# KiCad board latentpink.kicad_pcb (continued)
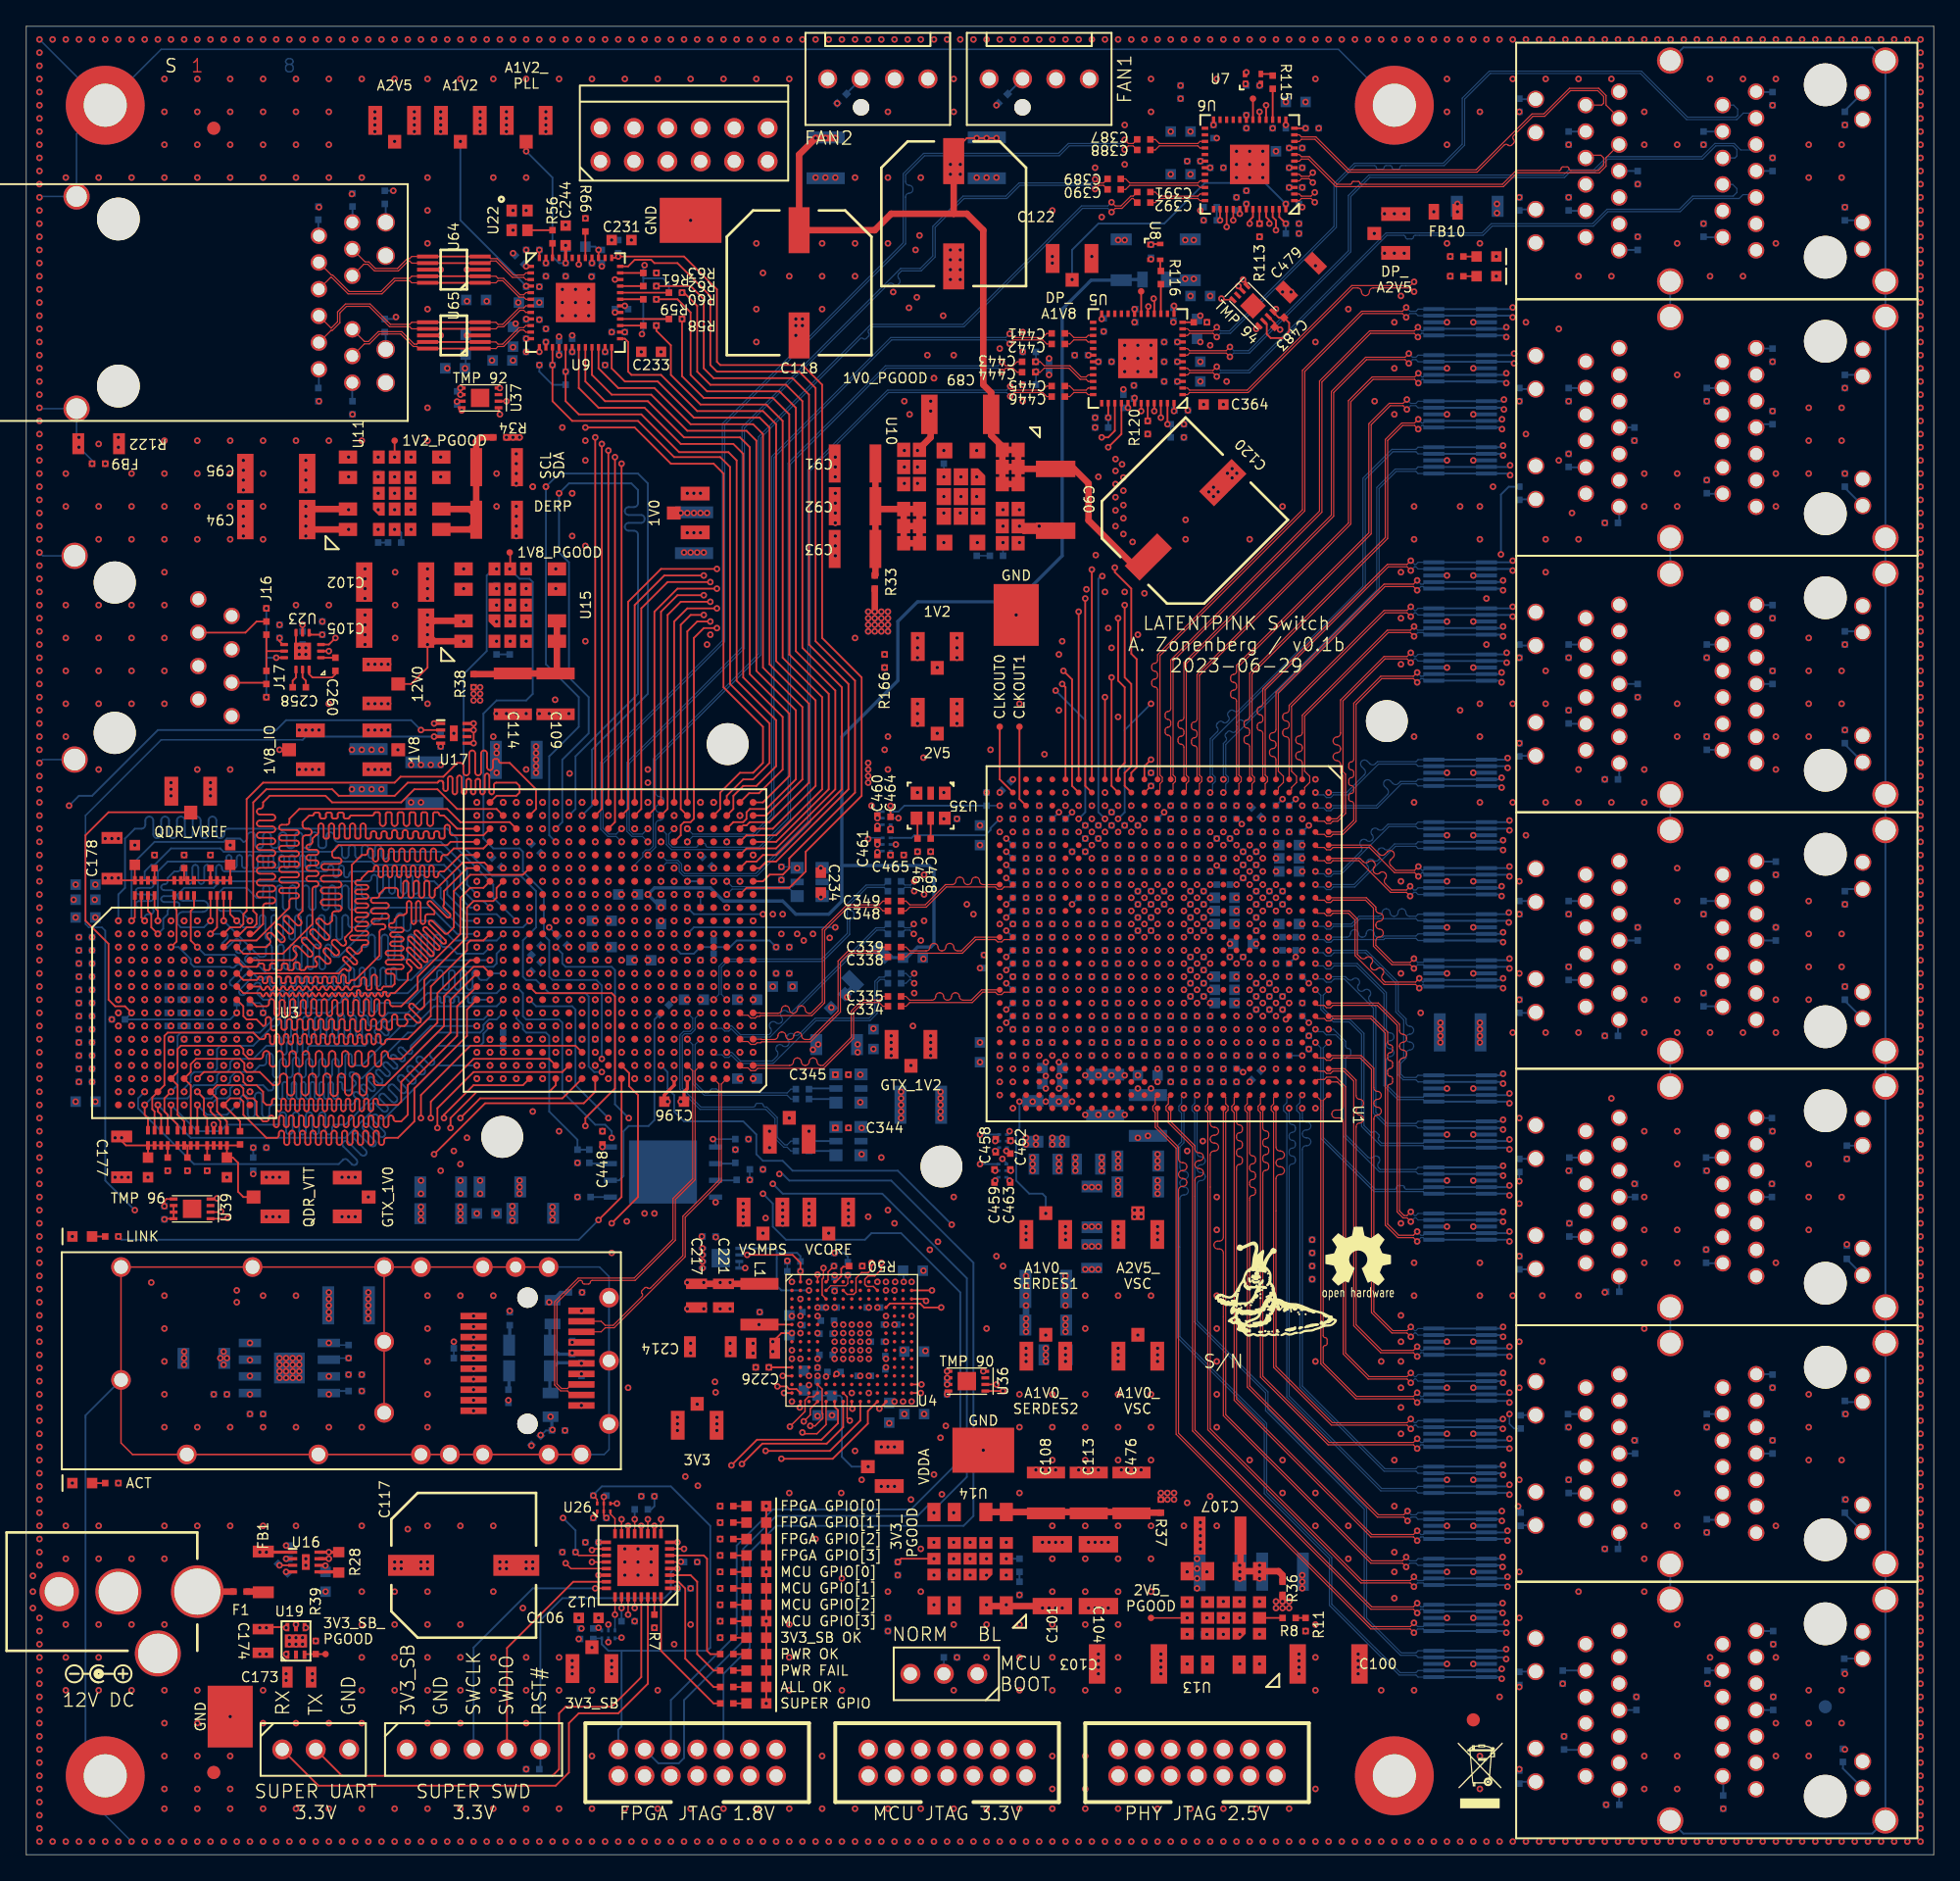
[diagram p0: board, top side]
## Routing (per net, layer and track width the routed paths; a pad name or vN(x,y) marks a point on that pad's centre or on a via; arc(x,y) is an arc through that point) (continued)
  In1.Cu w0.14: 117.25,30.25 110,30.25 ; 117.25,30.25 v1(117.25,28.5) ; 117.25,30.25 v1(117.25,32.5) 119,32.5 120,31.5 v1(122.25,31.5) ; 110,30.25 v1(110,25) v1(110,21.5) v1(110,18) v1(110,14.5) 110,12.3 111.25,11.05 116.8,11.05 ; 110,30.25 v1(110,32) v1(110,35.5) v1(110,39) v1(110,47.75) v1(110,51.25) v1(110,58.25) 110,62.5 ; v1(44.5,115.75) 44.5,113.75 v1(44,113.25) ; v1(44.5,115.75) 45.25,115 47.5,115 v1(48.25,114.25) ; v1(44.5,115.75) 44.5,117 ; v1(52.25,64) v1(51.25,63) v1(52.25,62) ; v1(52.25,64) v1(51.25,65) ; v1(52.25,64) v1(53.25,64) ; v1(58.2,40.95) 57.9,41.25 v1(55.75,41.25) 53.75,41.25 v1(53.5,41.5) 52,41.5 ; v1(45.5,21.25) 43.5,19.25 v1(43.5,18) ; v1(45.5,21.25) 45.5,21.75 ; v1(45.5,21.25) v1(47.5,21.25) ; 54.75,69 54.75,61 ; 54.75,69 54.75,78.5 ; 54.75,69 v1(54.25,69) ; 54.75,61 v1(55.25,61) ; 54.75,61 54.75,60.5 ; 129.5,89 130.5,90 v1(132.75,90) v1(132.75,94) ; 129.5,89 127.75,89 ; 129.5,89 130.25,88.25 130.25,84.22 J20.1 ; v1(42.2,36.55) 40.95,36.55 40.9,36.6 ; 17.25,21.25 14.75,23.75 7,23.75 J6.2 ; 17.25,21.25 16.75,21.25 16.5,21 16.5,16 ; 17.25,21.25 19.5,21.25 v1(19.75,21.5) ; v1(117.25,126) 117.25,128.25 ; 117.25,128.25 v1(117.25,130) ; 117.25,128.25 116,128.25 ; 36.7,40.95 40.2,40.95 40.6,41.35 40.9,41.35 ; 36.7,40.95 36.75,41 v1(36.75,41.35) ; 36.7,40.95 35.3,40.95 ; v1(41.25,68) v1(44.25,71) ; v1(44.25,71) v1(45.25,71) v1(46.25,71) ; v1(44.25,71) v1(44.25,69) v1(42.25,67) 42.75,66.5 42.75,65 ; v1(86,60.75) v1(86,58.75) ; v1(86,58.75) 86,58 85.75,57.75 84.75,57.75 84.5,57.5 84.5,56.25 ; v1(86,58.75) v1(87,58.75) 87,60.25 ; 90,72.25 v1(89.5,72.25) v1(88.5,72.25) ; 90,72.25 90,71.25 ; 90,72.25 v1(90,74.75) ; v1(72.5,60.25) 73.5,60.25 v1(74,59.75) ; 44.75,79.5 46.75,79.5 v1(47.25,80) 47.75,79.5 ; 44.75,79.5 37.75,79.5 ; 44.75,79.5 v1(44.25,79) 44.75,78.5 44.75,76.5 v1(45.25,76) ; v1(55.25,59) 54.75,59.5 54.75,60.5 ; v1(97,59.75) 96.5,60.25 88.5,60.25 ; v1(97,59.75) v1(97,60.75) v1(97.5,61.25) ; v1(97,59.75) 98,58.75 v1(98,56.75) ; v1(46.25,71) v1(49.25,74) ; v1(46.25,71) v1(47.25,70) ; v1(43.75,120.75) v1(42.96,119.96) ; 82.25,16.5 81.5,15.75 v1(81.5,15.25) v1(81.5,13.75) ; 82.25,16.5 v1(82.25,18.75) v1(80.75,18.75) 78.75,20.75 78.75,21.25 ; 82.25,16.5 87,16.5 87.5,16 89.75,16 ; v1(76,60.75) v1(87,60.75) 87,60.25 ; v1(76,60.75) 75.5,61.25 75.5,63.25 ; v1(76,60.75) v1(76,59.75) v1(74,59.75) ; v1(75,56.75) v1(74,57.75) v1(74,59.75) ; v1(65.5,31) 65.6,31.1 v1(65.6,32.8) 67.55,32.8 v1(68.25,33.5) 68.25,34.77 70,36.52 v1(70,36.75) ; v1(24.5,104.75) v1(31.5,104.75) v1(31.5,106.25) 37,106.25 v1(37.25,106.5) v1(37.25,100.25) ; v1(24.5,104.75) v1(24.5,106.25) ; v1(24.5,104.75) 22.5,104.75 ; v1(88,74.75) v1(88,63.75) ; 127.75,107.5 127.75,108.5 ; 127.75,107.5 v1(122.25,107.5) 122.25,105.75 121.85,105.35 119.9,105.35 ; 127.75,107.5 v1(127.75,104.5) 127.75,102.25 128,102 130.25,102 130.72,102.47 J21.1 ; 127.75,108.5 129.75,108.5 130.75,109.5 132.25,109.5 132.48,109.73 132.73,109.73 v1(132.75,109.75) v1(132.75,113.5) ; 127.75,108.5 v1(127.75,110.5) ; 98.25,129 98.5,129 99,128.5 104,128.5 ; 98.25,129 95.75,129 95.25,128.5 v1(94,128.5) ; 98.25,129 v1(98.25,131.25) 97.25,132.25 v1(97.25,133.25) ; 84,72.25 v1(84.5,72.25) v1(85.5,72.25) v1(86.5,72.25) ; 84,72.25 v1(84,63.75) ; 84,72.25 v1(84,73.75) v1(84,74.75) ; v1(18,64) 18,65.25 17.75,65.5 15.5,65.5 ; 45.5,21.75 v1(45.5,23.25) ; 45.5,21.75 v1(38.5,21.75) ; v1(6.75,51.5) 8.5,51.5 ; 8.5,51.5 v1(9.25,51.5) 10.25,51.5 v1(10.75,52) v1(13.75,52) 14.75,52 v1(15.25,51.5) ; 8.5,51.5 8,52 8,53 8.5,53.5 8.5,56.5 v1(8,57) 8.5,57.5 8.5,58.25 8.75,58.5 9.75,58.5 10,58.75 v1(10,59) ; v1(20,16.5) v1(21,16.5) ; v1(122.5,123) v1(122.5,127) 127.5,127 ; 65.75,59.5 v1(65.75,62.25) 65.75,62.45 65.4,62.8 v1(64.4,62.8) ; v1(87,79.75) 87,78.25 ; v1(87,79.75) v1(86.5,79.25) ; v1(87,79.75) v1(86,79.75) ; 87,78.25 v1(87,77.75) 86.5,77.25 86.5,74.75 ; 87,78.25 88.5,78.25 ; v1(62.5,48) v1(62.5,49.5) v1(54.5,49.5) ; v1(110,116.5) v1(110,113) v1(110,109.5) v1(110,106) v1(110,97.25) v1(110,82.25) v1(110,77.5) v1(110,74) 110,72.5 ; v1(97.25,17) 97,17.25 v1(97,21.25) ; v1(97.25,17) 97.25,7.25 97,7 ; v1(97.25,17) 94,17 v1(93.75,16.75) ; 37.75,79.5 37.25,79.5 ; 37.75,79.5 37.75,77.5 ; 37.25,79.5 v1(37.25,80) ; 37.25,79.5 35.75,79.5 ; v1(31.5,120.5) 28.38,120.5 J5.15 ; v1(31.5,120.5) 31.5,118 ; v1(31.5,120.5) 31.5,127 33,128.5 ; C71.2 v1(97,68.75) ; C71.2 v1(97.5,66.25) ; C71.2 96.5,66.25 v1(94.5,66.25) ; v1(97,68.75) v1(96.5,68.25) ; v1(97,68.75) 97,71.25 ; 42.75,62.5 v1(43.25,62) ; 42.75,62.5 42.75,65 ; 42.75,62.5 45.75,62.5 ; v1(47.25,70) v1(46.25,69) v1(45.25,69) ; v1(47.25,70) v1(48.25,69) v1(47.25,68) ; v1(47.25,70) v1(48.25,71) v1(49.25,70) v1(50.25,71) 50.75,71 ; v1(68.75,62.25) 68.75,57.25 ; v1(94.5,72.25) 94.5,71.25 ; 94.5,71.25 94.5,70.5 94.25,70.25 92.75,70.25 92.5,70.5 92.5,71 92.25,71.25 90,71.25 ; 94.5,71.25 97,71.25 ; 91.5,129.5 91.25,129.25 88.75,129.25 v1(88.25,128.75) 87.25,128.75 87,128.5 v1(87,127.75) ; 91.5,129.5 v1(92,129.5) ; 91.5,129.5 v1(90.5,130.5) 87.5,130.5 v1(87,131) 80.87,131 80.81,131.06 ; 47.75,79.5 53.75,79.5 v1(54.25,79) 54.75,78.5 ; 47.75,79.5 47.75,77.5 v1(48.25,77) ; v1(54.5,48) v1(54.5,49.5) ; v1(54.5,49.5) 53.5,49.5 53,49 ; 127.03,17.03 127.62,17.62 ; 127.03,17.03 127.17,17.03 127.8,16.4 v1(127.8,13) ; 127.03,17.03 J4.20 ; 127.62,17.62 128.4,18.4 132.3,18.4 132.8,17.9 v1(132.8,16) v1(132.8,12) 132.8,6.27 J4.1 130.03,3.5 v1(129,3.5) ; 127.62,17.62 127.75,17.75 v1(127.75,24.5) ; v1(46,122.75) 44.85,123.9 v1(41,123.9) 39.9,123.9 v1(38,122) 37,122 ; v1(46,122.75) 46,121.84 v1(47,120.84) ; v1(46,122.75) 47.5,124.25 v1(50.5,124.25) ; 35.3,40.95 35.3,34.55 ; 35.3,40.95 v1(34,40.95) ; 35.3,34.55 35.3,34.05 35,33.75 v1(34,33.75) ; 35.3,34.55 v1(36.65,34.55) ; v1(120,23.25) 122,23.25 122.25,23.5 v1(122.25,31.5) ; v1(78.5,58.25) v1(78.5,60.25) v1(79,60.75) ; 41,32.95 v1(42.2,34.15) ; 41,32.95 41,28.75 38,25.75 v1(38,21.75) ; 41,32.95 40.9,33.05 40.9,36.6 ; v1(127.75,32.5) 129.75,32.5 130.75,31.5 v1(132.75,31.5) v1(132.75,35.5) ; v1(127.75,32.5) 127.75,45.95 v1(127.7,46) ; v1(127.75,32.5) v1(127.75,24.5) ; 42.75,65 v1(42.25,65) ; v1(47.75,17.25) 47.25,17.75 v1(46.25,17.75) ; v1(47.75,17.25) 47.75,21 v1(47.5,21.25) ; v1(47.75,17.25) 47.75,14.75 47.25,14.25 v1(44.5,14.25) v1(41.5,14.25) ; v1(29.25,106.25) v1(29.25,102.25) ; v1(70.5,22.5) v1(73,22.5) ; 39.5,130 53.5,130 53.81,130.31 J23.11 53.81,130.06 ; 39.5,130 v1(39.5,131) ; 39.5,130 34.5,130 ; 17.25,51.5 v1(19.25,51.5) v1(19.25,48.5) v1(18.25,48.5) ; 17.25,51.5 17.75,51.5 ; 17.25,51.5 v1(15.25,51.5) ; v1(51.25,65) 51.25,64.75 51,64.5 49.75,64.5 v1(49.25,64) v1(49.25,59) ; v1(51.25,65) v1(51.25,66) ; v1(11,80.5) v1(11,81.5) 16.75,81.5 ; v1(42.25,71) v1(43.25,70) v1(44.25,70) ; v1(42.25,71) v1(44.25,73) ; v1(42.25,71) v1(41.25,72) ; v1(122.25,31.5) 122.25,35.38 J8.20 ; v1(78.75,54) v1(78.75,54.5) v1(80.5,56.25) 84.5,56.25 ; v1(78.75,54) v1(78,54) v1(78,54.5) ; v1(78.75,54) 78.5,53.75 v1(78.5,52) ; v1(117.25,71.5) 117.25,69.5 ; 117.25,69.5 v1(117.25,67.5) ; 117.25,69.5 119.8,69.5 119.9,69.4 ; 127.5,127 v1(127.5,130) 129.75,130 130.75,129 v1(132.75,129) 132.75,131.75 ; 127.5,127 v1(127.5,124) ; 54.75,78.5 60.7,78.5 ; 76.5,80.25 v1(75,78.75) v1(75,77.75) v1(74.5,77.25) v1(74.5,76.25) v1(74.5,75.25) v1(74.5,74.25) v1(74.5,72.25) v1(74.5,71.25) ; 76.5,80.25 v1(77,79.75) 78,79.75 v1(78.5,79.25) v1(79.5,79.25) 79.5,78.5 79.75,78.25 v1(80.5,78.25) ; 76.5,80.25 v1(75,81.75) 68.25,81.75 67.75,81.25 v1(67.75,80.75) ; 114.74,121.49 114.74,120.89 J21.20 119.9,113.34 119.9,110.6 ; 114.74,121.49 114.72,121.5 v1(111.75,121.5) v1(111.75,120) ; 114.74,121.49 J22.31 116,123.8 116,128.25 ; v1(70.25,119.75) v1(70.25,122) v1(71,122) ; v1(70.25,119.75) v1(71,119.75) 71,126.25 v1(72.25,127.5) ; v1(70.25,119.75) 67.25,116.75 v1(59,116.75) ; v1(66,31) v1(65,31) v1(65,28) v1(66,28) 66,26.25 66.25,26 v1(69,26) v1(70.5,26) v1(70.5,19) v1(69,19) ; 18,34.25 18.25,34.25 19.25,35.25 v1(19.25,36.25) ; 18,34.25 v1(18,33.5) ; 18,34.25 14.25,34.25 ; v1(30,48.25) v1(30,49.25) 31.5,49.25 32.5,50.25 v1(33,50.25) ; v1(51.4,46.1) 51.35,46.15 v1(51.35,47) ; 90,69.25 v1(91.5,69.25) v1(91.5,68.25) ; 90,69.25 90,68.25 ; 90,69.25 90,70.25 ; v1(77.25,23.75) v1(78.75,23.75) ; v1(78.75,23.75) 78.75,21.25 ; v1(78.75,23.75) 78.75,29.25 ; 110,62.5 v1(110,67) v1(110,70.5) 110,72.5 ; 110,62.5 110.5,62.5 ; 97,71.25 97,73.25 ; v1(51.25,66) v1(53.25,66) v1(53.25,67) ; v1(51.25,66) 50.75,66.5 50.75,68 ; 133,72.5 130.5,72.5 129.5,71.5 v1(127.5,71.5) 127.5,70.5 ; 133,72.5 v1(133,74.5) ; 133,72.5 v1(133,70.5) ; v1(94,127.5) v1(94,129.5) ; v1(94,127.5) v1(92,127.5) v1(92,129.5) ; v1(94,127.5) 94,126.67 96.16,124.51 96.16,123.84 v1(96.75,123.25) 96.75,122.05 v1(98,120.8) ; v1(94,129.5) 94,131.25 ; v1(94,129.5) v1(92,129.5) ; v1(85,63.75) v1(85,74.75) ; v1(50.5,20.25) 50.5,21.75 v1(51,22.25) 50.5,22.75 47.5,22.75 ; v1(96.5,80.25) 97,80.75 97,81.5 97.25,81.75 v1(98,81.75) ; v1(96.5,80.25) v1(95.5,80.25) ; v1(96.5,80.25) 96.5,78.5 96.75,78.25 v1(97.5,78.25) C86.2 v1(97,76.75) 97,73.25 ; v1(77,101) v1(75.5,101) ; v1(15.25,51.5) 15.25,50.65 v1(14.5,49.9) ; v1(92.75,126.5) 92.25,126 v1(92,126) 91.25,126 v1(89.5,124.25) 88.45,124.25 v1(85.5,121.3) ; 37,122 v1(37,123.5) ; 37,122 37,119.2 ; 37,119.2 36.6,119.2 35.8,118.4 35.8,117.6 35.6,117.4 35,117.4 ; 37,119.2 37.6,118.6 38.4,118.6 v1(39,118) v1(40.75,118) ; v1(63.4,57.2) 62.5,56.3 v1(62.5,55.25) 62.5,54.25 v1(63.5,53.25) ; v1(35.4,113.6) 35.4,112.1 v1(36,111.5) ; 116.8,11.05 v1(116.8,13) 116.8,16.2 117.63,17.03 J4.20 ; 116.8,11.05 116.8,9.1 v1(116.9,9) 116.9,4.8 117.9,3.8 v1(120.1,3.8) ; 40.9,39.1 41.05,38.95 J1.17 42.25,39 ; 40.9,39.1 40.9,41.35 ; 40.9,39.1 40.9,36.6 ; 90,71.25 90,70.25 ; v1(16.5,106) v1(16.5,100.25) 17.75,99 22.5,99 22.5,98.75 ; 53,49 52,48 52,41.5 ; 53,49 v1(52.4,49.6) ; v1(22.25,85.5) v1(27.5,85.5) v1(27.5,87.5) ; 117.25,88.85 119.85,88.85 119.9,88.9 ; 117.25,88.85 v1(117.25,87) ; 117.25,88.85 v1(117.25,91) ; v1(78.5,53) v1(79.75,53) v1(79.75,52) ; v1(78,121) v1(78,121.5) v1(81,121.5) 81.75,121.5 v1(83,122.75) ; v1(39.25,74) 38.75,74.5 38.75,74.75 ; v1(91.5,77.25) v1(92,77.75) ; v1(92,77.75) 92,78.25 ; v1(92,77.75) 92.4,78.15 v1(92.4,78.35) ; v1(92,77.75) v1(93,77.75) ; 94,131.25 v1(92.75,131.25) ; 94,131.25 v1(94.75,131.25) ; 94,131.25 94,131.75 95,132.75 95,133.25 v1(93.75,134.5) ; 16.5,16 17.25,15.25 v1(17.75,15.25) v1(18.25,15.25) 19,16 v1(20,16) v1(21,16) 21,15.25 21.75,14.5 v1(21.75,13.75) v1(21.75,13.25) ; 16.5,16 15.5,15 v1(15.5,10.5) ; v1(95.5,73.25) 97,73.25 ; 80.81,131.06 80.81,130.81 80.06,130.06 72.19,130.06 ; 80.81,131.06 J11.1 ; v1(51.25,78) 50.75,77.5 50.75,71 ; J22.20 119.06,132 117,132 115.92,130.92 J22.33 114.74,129.51 115.88,128.38 ; v1(26.5,131) v1(26.5,132.5) v1(29.5,132.5) ; v1(84.5,114.75) 84.5,116.25 v1(84.25,116.5) ; v1(41,120) 41,119.25 v1(40.75,119) v1(42.75,119) ; v1(12,38.25) 12,34.75 12.5,34.25 14.25,34.25 ; 31.5,118 v1(31.5,115.5) 32,115 v1(32,113) ; 31.5,118 32.4,118 33,117.4 35,117.4 ; 40.9,41.35 v1(42.2,41.35) 42.25,41.4 v1(42.25,42.75) ; 122.25,53 v1(122.25,51) 127.75,51 ; 122.25,53 120.25,53 119.25,52 v1(117.25,52) 117.3,51.95 v1(117.3,48) 119.5,48 120,47.5 v1(120,42.75) ; 122.25,53 122.25,54.88 J18.20 119.9,57.22 119.9,62.65 ; v1(70,35.75) v1(70,36.75) ; v1(70,36.75) v1(72.75,36.75) ; 90,68.25 v1(89.5,68.25) v1(88.5,68.25) ; 90,68.25 90,65.25 ; v1(76.75,29.25) 75.25,30.75 v1(72.75,30.75) ; v1(76.75,29.25) v1(78.25,29.25) ; v1(76.75,29.25) 78.75,29.25 ; v1(88.5,66.25) 89,66.25 ; 89,66.25 v1(89,63.75) ; 89,66.25 v1(89.5,66.25) ; 89,66.25 v1(89,74.75) ; 88.5,78.25 v1(89,77.75) ; 88.5,78.25 88.5,79.25 v1(89,79.75) v1(90,79.75) ; 88.5,78.25 92,78.25 ; 110.5,62.5 v1(110.5,63.25) ; 110.5,62.5 v1(110.5,61.75) ; J19.20 119.97,75.53 119.9,75.6 ; 64.72,42.28 66.47,42.28 66.8,42.6 ; 53.81,130.06 J23.5 ; 53.81,130.06 58.19,130.06 59,129.25 59.75,129.25 ; 92,78.25 v1(92,79.75) v1(93,79.75) ; v1(39.25,64) 38.75,64 ; v1(19.75,21.5) 20.16,21.91 20.16,23.09 v1(19.75,23.5) ; v1(19.75,21.5) 19.75,20.75 20.5,20 v1(22.75,20) ; J4.20 122.4,15.72 v1(122.4,12) ; v1(41.25,86.75) v1(35.75,86.75) v1(35.75,92.25) ; 52.75,72 52.75,74.5 v1(52.25,75) ; 52.75,72 52.75,67.5 v1(53.25,67) ; 52.75,72 v1(53.25,72) ; v1(55.25,67) v1(53.25,67) ; v1(45.5,23.25) 44.5,24.25 43,24.25 v1(42.5,23.75) ; v1(45.5,23.25) v1(47.5,23.25) 47.5,22.75 ; 78.75,21.25 v1(74.5,21.25) ; v1(92.5,74.25) 92.5,73.67 92.92,73.25 v1(93.5,73.25) ; v1(92.5,74.25) v1(92.5,75.25) v1(93.5,75.25) ; v1(92.5,74.25) 91.55,74.25 91.05,74.75 C269.2 v1(90,74.75) ; v1(117.25,106.5) 119.8,106.5 119.9,106.4 ; 22.5,98.75 v1(22.5,93.75) 22,93.75 21.5,94.25 19.75,94.25 19.25,93.75 v1(19.25,93.5) 19.75,93.5 20,93.25 20,91.25 ; 22.5,98.75 22.5,104.75 ; 23.25,109.5 v1(24.8,109.5) 26.75,109.5 27.32,110.07 J5.13 ; 23.25,109.5 22.5,108.75 22.5,104.75 ; 23.25,109.5 v1(22.25,110.5) ; v1(41.25,78) 40.75,77.5 38.75,77.5 ; 38.75,77.5 38.75,74.75 ; 38.75,77.5 37.75,77.5 ; 38.75,74.75 38.75,67 ; v1(89.25,25.25) 89.25,22 v1(89.75,21.5) ; 119.9,69.4 119.9,62.65 ; 119.9,69.4 119.9,70.4 ; 119.9,62.65 119.9,62.35 v1(120,62.25) ; 52,41.5 v1(50.25,41.5) 50.5,41.25 v1(50.5,38.12) ; 39,116 v1(39,114.25) v1(39,113.25) 37.75,113.25 v1(36,111.5) ; 39,116 39,116.25 39.75,117 v1(40.75,117) ; 39,116 v1(39.5,116) ; 25.09,38.91 26,39.81 v1(26,42.75) ; 25.09,38.91 v1(23,38.91) 22.84,38.91 21.75,40 21.75,43 23,44.25 23,47.5 v1(24,48.5) ; 25.09,38.91 25.5,38.5 v1(25.5,35.25) ; 78.75,29.25 v1(84.75,29.25) v1(83.25,29.25) ; v1(29.5,132.5) v1(31.5,132.5) ; v1(29.5,132.5) v1(29.5,131) ; 20,91.25 v1(20.75,91.25) ; 20,91.25 19.75,91.25 19.37,91.64 J7.4 ; v1(20.75,91.25) v1(20.75,91.75) ; v1(20.75,91.25) v1(21.25,91.25) v1(21.25,91.75) ; 119.9,70.4 120,70.5 v1(122.5,70.5) 127.5,70.5 ; 119.9,70.4 119.9,75.6 ; J14.3 26.52,6.02 29.48,6.02 J13.2 34.46,5 38,5 ; 38,5 v1(38,6.5) ; 38,5 46.75,5 47,5.25 J9.3 ; 16.75,81.5 16.75,79 ; 16.75,81.5 16.75,90.5 J7.4 ; 115.88,128.38 116,128.25 ; 115.88,128.38 115.75,128.5 104,128.5 ; v1(64.7,78.8) 65.64,79.74 v1(65.7,79.74) ; 74.5,65.25 v1(74.5,64.25) v1(74.5,63.25) v1(75,62.75) ; v1(67.75,106.75) 68.75,107.75 v1(68.75,110.5) ; v1(73.75,127.5) v1(72.25,127.5) ; v1(72.25,127.5) 72.25,130 72.19,130.06 ; v1(117.25,110.5) 119.8,110.5 119.9,110.6 ; v1(74.5,21.25) 74.5,20.25 75,19.75 v1(75.5,19.75) ; v1(74.5,21.25) v1(70.5,21.25) ; v1(79,47.75) v1(79,46.75) v1(79,41.75) 80,40.75 80,39.5 v1(79,38.5) v1(79,37.5) 79,37.25 78.5,36.75 76.5,36.75 76,37.25 v1(76,37.5) v1(76,38.5) ; v1(75,62.75) v1(74,62.75) ; v1(75,62.75) 75.5,63.25 ; J20.20 119.93,95.03 119.9,95 ; 45.75,62.5 v1(46.25,63) ; 45.75,62.5 46.5,62.5 46.75,62.25 46.75,60.5 v1(47.25,60) 46.75,59.5 44.75,59.5 v1(44.25,59) 43.25,58 43.25,55.55 v1(43.8,55) ; 84.5,56.25 v1(84.5,54.5) 84.65,54.65 v1(85.26,54.65) 85.26,51.49 85.5,51.25 v1(86,51.25) ; 127.75,88 v1(122.5,88) 120,88 119.9,88.1 ; 127.75,88 v1(127.75,85) ; 127.75,88 127.75,89 ; 37.75,77.5 v1(38.25,77) ; 104,128.5 v1(104,124.75) ; v1(41.5,14.75) v1(41.5,13.75) ; 127.75,51 127.75,46.05 v1(127.7,46) ; 127.75,51 v1(127.75,52) ; v1(127.75,24.5) 127.78,24.47 J8.1 ; v1(59,116.75) v1(58.5,116.75) v1(58.5,115.5) ; v1(59,116.75) v1(59,116.25) ; v1(67.75,91) v1(67.75,92.5) v1(70.75,92.5) v1(70.75,86) ; 119.9,75.6 119.9,88.1 ; 67,13.54 67,6 ; 50.75,71 50.75,68 ; v1(36,111.5) v1(33,111.5) ; v1(47.25,68) v1(45.25,66) v1(40.25,71) v1(42.25,73) 42.75,73.5 42.75,74.5 v1(42.25,75) ; v1(47.25,68) v1(48.25,67) ; 90,70.25 v1(89.5,70.25) v1(88.5,70.25) ; v1(28,104.75) v1(28,102.25) ; J12.1 68.54,130.66 67.94,130.06 67.69,130.06 ; 92,59.5 v1(92,58.75) ; 92,59.5 92.49,59.5 v1(92.5,59.49) ; 92,59.5 v1(92,60.75) ; 87,60.25 88.5,60.25 ; v1(80,29.25) v1(81.5,29.25) ; v1(83.4,111.4) 81.9,111.4 81.25,110.75 v1(81.25,109.25) ; 6,64 v1(6.5,63.5) 6.5,62.75 6.75,62.5 9.25,62.5 9.5,62.25 9.5,60.5 v1(10,60) ; v1(47.5,21.25) 47.5,22.75 ; v1(90,74.75) 86.5,74.75 ; 54.75,60.5 53.75,60.5 U2.B3 U2.B4 v1(51.25,61) v1(52.25,62) ; 35.75,79.5 v1(35.75,84.25) ; 35.75,79.5 34.75,79.5 v1(34.25,79) ; 50.75,68 v1(51.25,68) ; 33,128.5 34.5,130 ; 33,128.5 25.25,128.5 24.75,128 v1(24.75,126.25) 23.75,125.25 v1(22.25,125.25) ; v1(38.5,21.75) v1(36,21.75) v1(36,22.25) v1(38.5,22.25) v1(38.5,21.75) ; 119.9,106.4 119.9,105.35 ; 119.9,106.4 119.9,110.6 ; 119.9,105.35 119.9,101.65 ; 119.9,95 119.9,88.9 ; 119.9,95 119.9,101.65 ; v1(83,46.75) v1(76,46.75) v1(76,47.75) ; v1(83,46.75) v1(86,46.75) v1(86,51.25) ; v1(83,46.75) v1(83,47.75) ; v1(97,125.25) v1(97,126.75) ; v1(65.35,40.3) v1(64.05,40.3) ; 101,11 101.25,11.25 v1(101.25,15.25) ; v1(69,23.75) v1(73,23.75) ; 132.75,131.75 v1(132.75,133) ; 132.75,131.75 132.91,131.91 J22.29 141,130.51 141,123.46 J22.27 139.6,120.5 138.5,119.4 134.07,119.4 J22.1 ; v1(72.5,78.25) 72.5,78.75 ; 72.5,78.75 v1(70.75,78.75) ; 72.5,78.75 73,78.75 v1(74,77.75) v1(76,77.75) 76.5,77.25 77.5,77.25 v1(78,76.75) 78,70.25 ; v1(55.25,63) 54.75,63 ; v1(74,66.75) v1(75,66.75) 75.5,66.25 75.5,63.25 ; 119.9,88.9 119.9,88.1 ; 35,117.4 v1(35,118.1) ; 88.5,60.25 88.5,59.25 v1(89,58.75) v1(90,58.75) ; 88.5,60.25 v1(89,60.75) ; v1(97,70.75) 97.5,71.25 103,71.25 103.72,71.97 106.97,71.97 107.5,72.5 110,72.5 ; v1(93,60.75) v1(93,58.75) ; 127.5,70.5 v1(127.5,65.5) ; v1(14.25,35) 14.25,34.25 ; v1(59.5,48) v1(59.5,49.5) ; 72.19,130.06 67.69,130.06 ; v1(86,50.25) v1(86,51.25) ; v1(34.5,131) 34.5,130 ; v1(44.5,14.75) v1(44.5,13.75) ; v1(20.5,17.5) v1(20.5,16) ; 119.9,101.65 119.9,101.35 v1(120,101.25) ; 59.75,129.25 63.38,129.25 64.19,130.06 67.69,130.06 ; 59.75,129.25 60,129 v1(60,127.5) v1(61.5,127.5) ; v1(93,129.5) v1(93,127.5) ; v1(38.25,67) 38.75,67 ; 38.75,67 38.75,61.75 39,61.5 39.75,61.5 v1(40.25,61) ; v1(45.25,72) v1(45.25,68) v1(44.25,67) ; v1(52.25,62) v1(53.25,62) ; 90,65.25 v1(93.5,65.25) ; 90,65.25 v1(90,63.75) v1(83,63.75) ; 83,76.25 v1(83,73.75) v1(83,60.75) ; 83,76.25 v1(80.5,76.25) v1(80.5,77.25) ; 83,76.25 v1(83,76.75) 83.5,77.25 v1(83.5,78.25) 83.5,79 83.25,79.25 v1(82.5,79.25) ; v1(56.25,26.5) v1(56.25,21.5) v1(56.25,11.5) 56.25,8.75 56,8.5 56,7 J9.11 ; 78,70.25 75.5,70.25 v1(75,70.75) 74.5,70.75 ; 78,70.25 v1(78,60.75) ; 74.5,70.75 v1(74.5,70.25) v1(74.5,68.25) v1(74.5,67.25) ; 74.5,70.75 v1(74,70.75) ; v1(55.25,65) 54.75,65 ; v1(83,74.75) 86.5,74.75 ; v1(94.5,64.25) 97.5,64.25 ; v1(57.5,48) v1(57.5,49.5) ; v1(127.7,46) 129.47,46 J18.1 132.7,45.17 v1(132.7,51) 132.7,54.95 v1(132.75,55) ; J7.4 14.34,90.36 13.07,90.36 ; v1(55.25,38.88) v1(55.25,38.12) 55.25,37.25 v1(55.45,37.05) 55.9,37.5 57.3,37.5 58.05,36.75 58.8,36.75 ; v1(78,70.75) v1(80,70.75) ; 44.5,117 v1(42.75,117) ; 44.5,117 v1(44.75,117.25) ; v1(75.25,94.25) 75.25,99.5 v1(75.5,99.75) v1(74.25,99.75) v1(74.25,102.25) ; 127.75,89 v1(127.75,91) ; v1(78,66.75) v1(80,66.75) ; v1(58.2,34.45) 57,33.25 v1(49.5,33.25) v1(49.5,32.25) ; v1(87,63.75) v1(87,74.75) ; v1(85.5,70.25) v1(84.5,70.25) v1(84,69.75) ; v1(41.75,119) v1(41.75,117) ; 7,25.25 6.5,25.25 v1(3.5,28.25) v1(3.5,47) ; v1(15.5,76.75) 14.75,76.75 v1(14,76) v1(12,76) v1(9.75,76) 9,76 v1(8.25,76.75) 7.5,76.75 v1(7,77.25) v1(6,77.25) 5,76.25 ; v1(40.5,115.41) 40.59,115.5 v1(41.5,115.5) ; v1(26.75,104.75) v1(26.75,100.75) ; v1(14,80.5) v1(14,81.5) ; v1(52.5,33.25) v1(52.5,32.25) ; v1(78,62.75) v1(80,62.75) ; v1(75,58.75) v1(74,58.75) ; v1(86,74.75) v1(86,63.75)